# Altium PCB Minion_Rev2.PcbDoc (part 4 of 11)
Units mil, origin at the board's own origin, x right, y up, seen from the top; angles counter-clockwise.
Board outline 4724.41 x 6929.13 mil, 4 copper layers (L1, L2, L3, L4), stack 62.087 mil thick; 873 components, 147 nets, 5651 pads, 5666 vias.
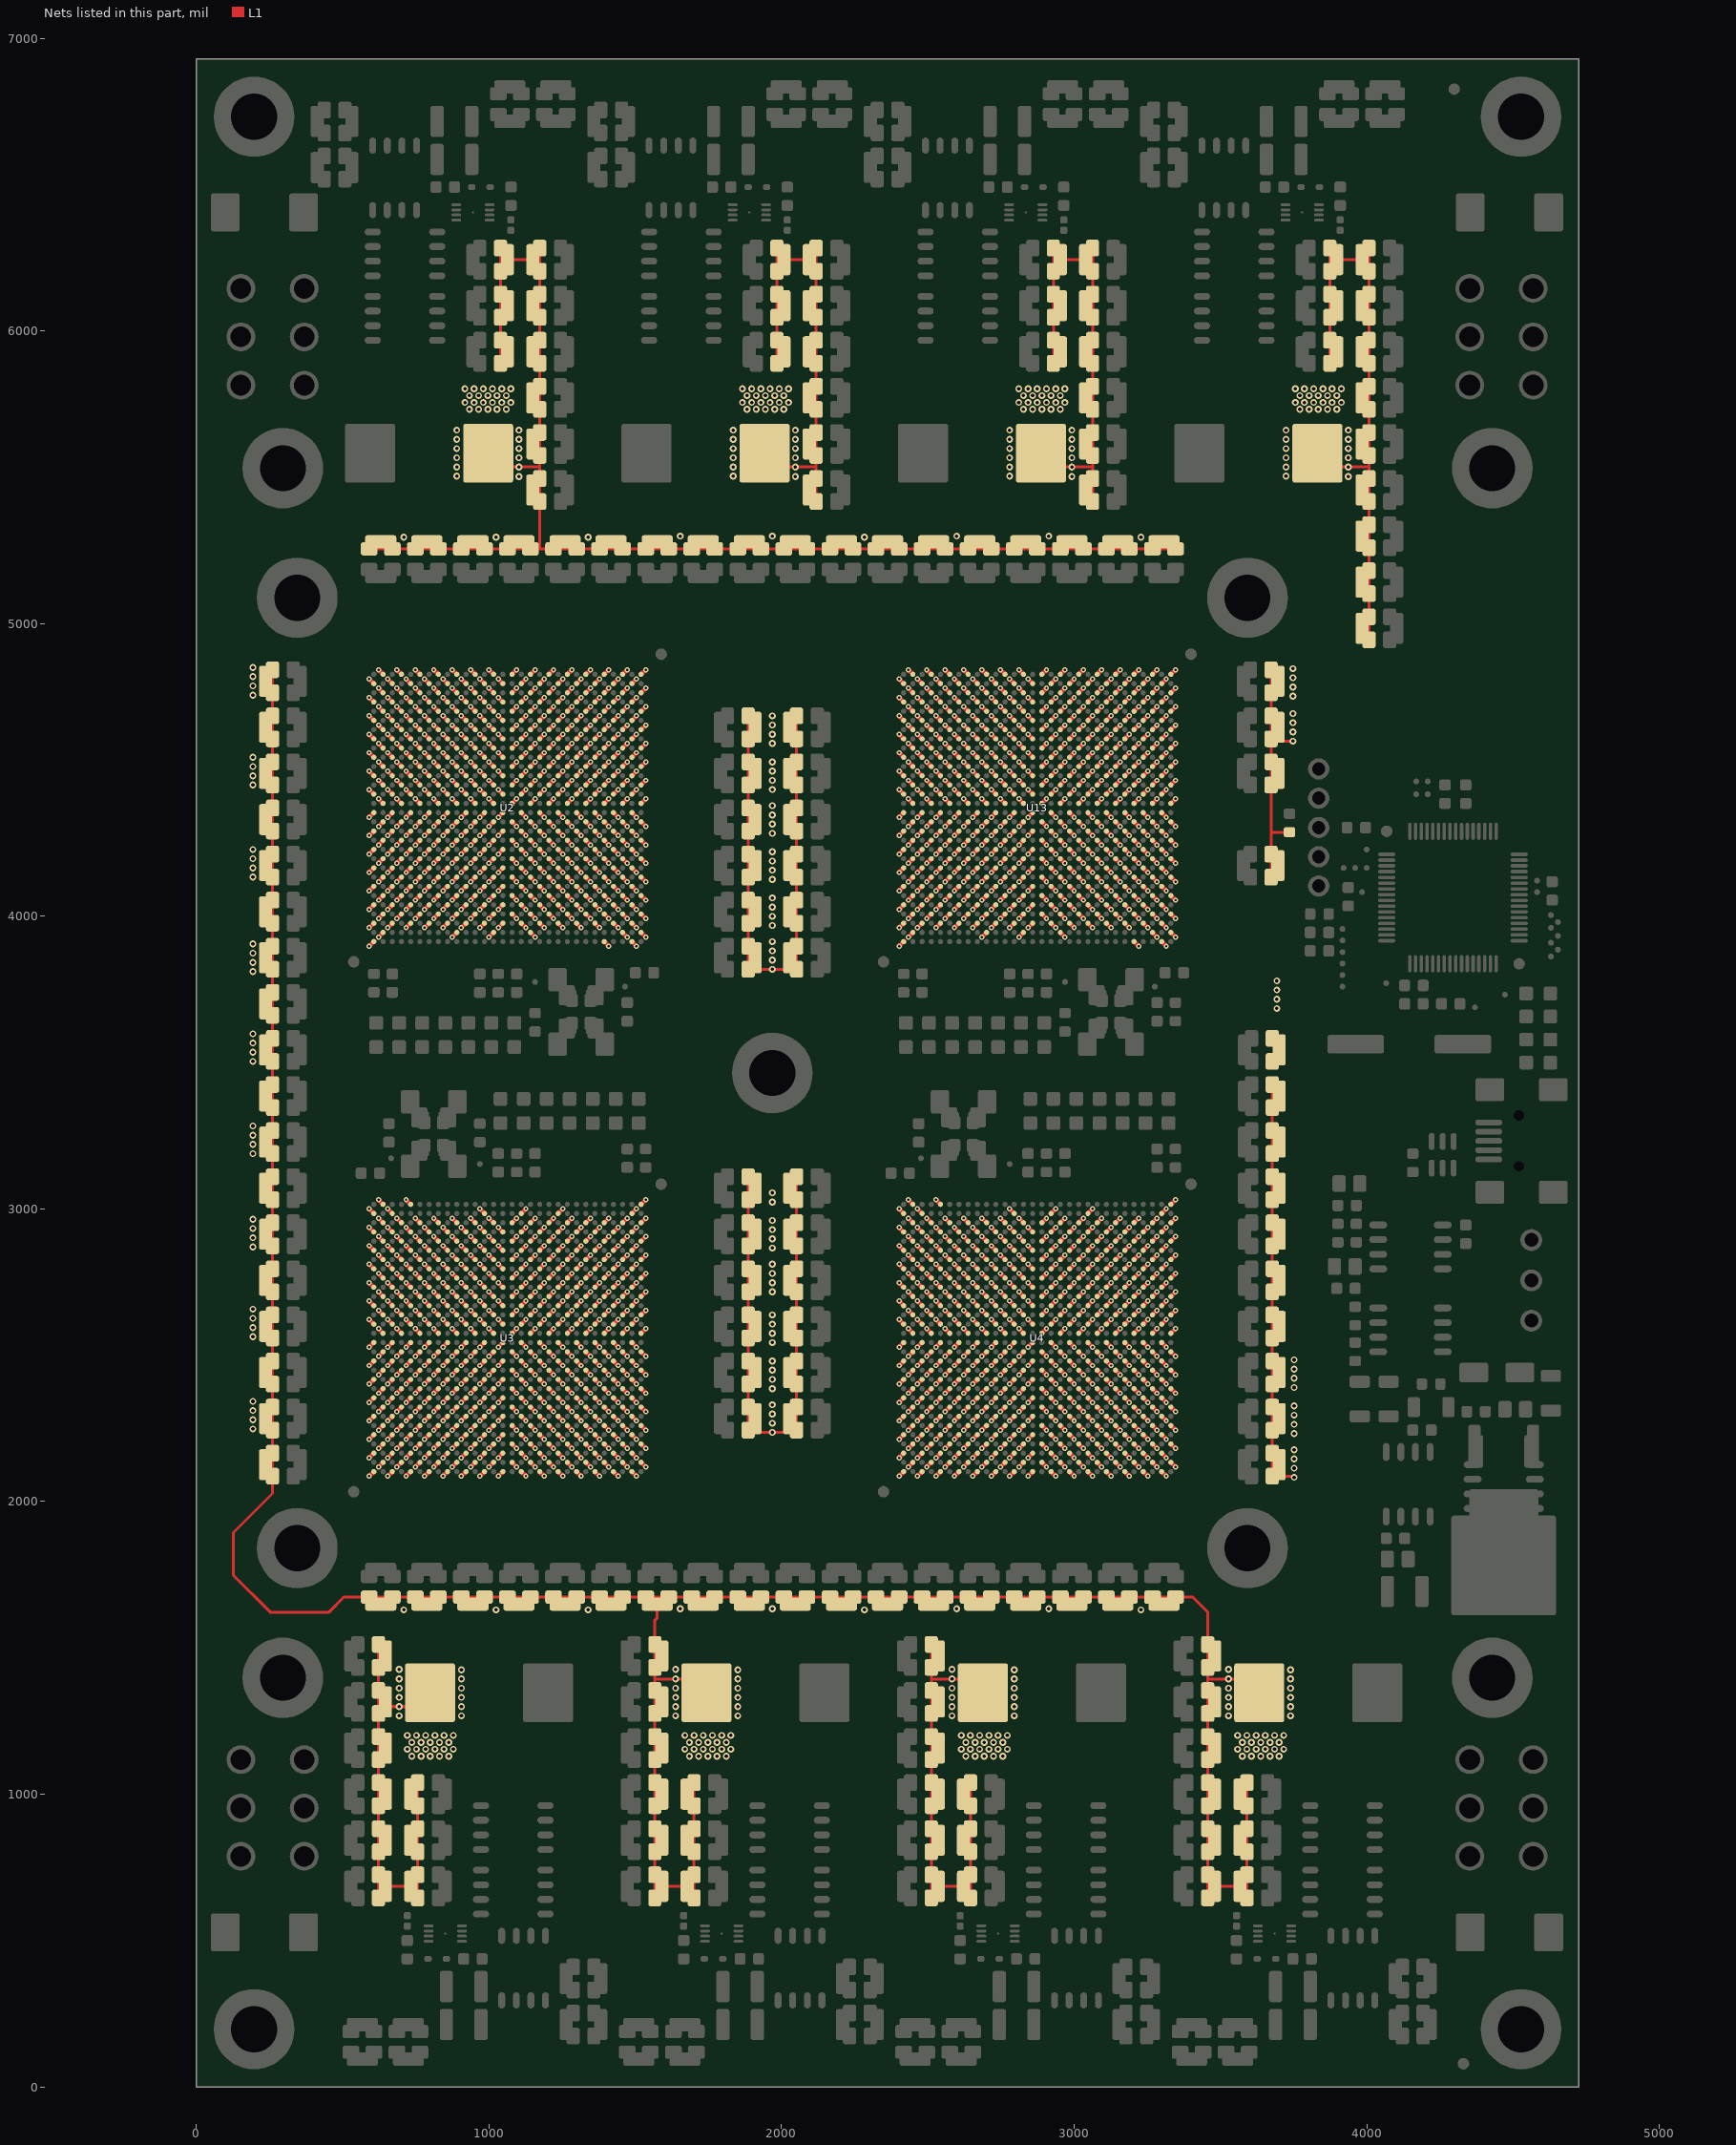
[diagram p6: the nets of this part, all layers, seen from the top]

## Via types
v1: diameter 17.72/17.72/17.72/17.72 (per signal layer), hole 7.87, L1 to L4, 3578 vias
v2: diameter 23.62/23.62/23.62/23.62 (per signal layer), hole 11.81, L1 to L4, 2088 vias

## Nets (pads, with @x,y where several pads share a name; then routed paths per layer and width w, separated by ;. In a path a pad name is that pad's centre, name@x,y a point inside that pad or via, vN(x,y) a via of type N, cw(c..) or ccw(c..) an arc to the next point about the centre after c; other vN are vias at no path point) (continued)
1V: C19.2 C22.2 C23.2 C26.2 C27.2 C30.2 C31.2 C34.2 C35.2 C36.2 C39.2 C40.2 C41.2 C42.2 C43.2 C44.2 C45.2 C46.2 C47.2 C48.2 C49.2 C50.2 C51.2 C54.2 C55.2 C58.2 C59.2 C62.2 C63.2 C66.2 C67.2 C68.2 C71.2 C72.2 C73.2 C74.2 C75.2 C76.2 C77.2 C78.2 C79.2 C80.2 C81.2 C82.2 C83.2 C86.2 C87.2 C90.2 C91.2 C94.2 C95.2 C98.2 C99.2 C100.2 C103.2 C104.2 C105.2 C106.2 C107.2 C108.2 C109.2 C110.2 C111.2 C112.2 C113.2 C114.2 C115.2 C118.2 C119.2 C122.2 C123.2 C126.2 C127.2 C130.2 C131.2 C132.2 C135.2 C136.2 C137.2 C138.2 C139.2 C140.2 C141.2 C142.2 C143.2 C144.2 C145.2 C146.2 C147.2 C148.2 C149.2 C150.2 C151.2 C152.2 C153.2 C154.2 C155.2 C156.2 C157.2 C158.2 C159.2 C160.2 C161.2 C162.2 C163.2 C164.2 C165.2 C166.2 C167.2 C169.2 C170.2 C171.2 C172.2 C173.2 C174.2 C175.2 C176.2 C177.2 C178.2 C179.2 C180.2 C197.2 C198.2 C199.2 C200.2 C201.2 C202.2 C203.2 C204.2 C205.2 C206.2 C207.2 C208.2 C209.2 C210.2 C211.2 C212.2 C213.2 C214.2 C236.2 C239.2 C323.1 C324.1 C325.1 C326.1 C327.1 C328.1 C329.1 C330.1 C331.1 C332.1 C333.1 C334.1 C335.1 C336.1 C337.1 C338.1 C339.1 C340.1 C341.1 C342.1 C343.1 C344.1 C345.1 C346.1 C350.2 C351.2 C352.2 C353.1 C354.1 C355.1 C356.1 C357.1 C358.1 C359.1 C360.1 C361.1 C362.1 C363.1 C364.1 C365.1 C366.1 C367.1 C368.1 C369.1 C370.1 C371.1 C372.1 C373.1 C374.1 C375.1 C376.1 C393.2 C394.2 C395.2 C396.2 C397.2 C398.2 C399.2 C400.2 C401.2 C408.2 C409.2 C410.2 C411.2 C412.2 C413.2 C414.2 C415.2 C416.2 C417.2 C418.2 C419.2 C444.1 C445.1 C446.1 C447.1 C448.1 C449.1 C450.1 C451.1 C452.1 C453.1 C454.1 C455.1 C456.1 C457.1 C458.1 C459.1 C460.1 C461.1 C462.1 C463.1 C464.1 C465.1 C466.1 C467.1 C468.1 C469.1 C470.1 C471.1 C472.1 C473.1 C474.1 C475.1 C476.1 C477.1 C478.1 C479.1 C480.1 C481.1 C482.1 C483.1 C484.1 C485.1 C486.1 C487.1 C488.1 C489.1 C490.1 C491.1 C652.1 C653.2 C654.1 C655.1 C656.2 C657.1 C658.1 C659.2 C660.1 C661.1 C662.2 C663.1 C664.1 C665.2 C666.1 C667.1 C668.2 C669.1 C670.1 C671.2 C672.1 C673.1 C674.2 C675.1 C676.1 C677.2 C678.1 C679.1 C680.2 C681.1 C742.1 C743.2 C744.1 C745.1 C746.2 C747.1 C748.1 C749.2 C750.1 C751.1 C752.2 C753.1 C754.1 C755.2 C756.1 C757.1 C758.2 C759.1 C760.1 C761.2 C762.1 C763.1 C764.2 C765.1 C766.1 C767.2 C768.1 C769.1 C770.2 C771.1 C832.1 C833.2 C834.1 C835.1 C836.2 C837.1 C838.1 C839.2 C840.1 C841.1 C842.2 C843.1 C844.1 C845.2 C846.1 C847.1 C848.2 C849.1 C850.1 C851.2 C852.1 C853.1 C854.2 C855.1 C856.1 C857.2 C858.1 C859.1 C860.2 C861.1 C922.1 C923.2 C924.1 C925.1 C926.2 C927.1 C928.1 C929.2 C930.1 C931.1 C932.2 C933.1 C934.1 C935.2 C936.1 C937.1 C938.2 C939.1 C940.1 C941.2 C942.1 C943.1 C944.2 C945.1 C946.1 C947.2 C948.1 C949.1 C950.2 C951.1 C952.1 C953.2 C954.1 C955.1 C956.2 C957.1 C958.1 C959.2 C960.1 C961.1 C962.2 C963.1 C964.1 C965.2 C966.1 C967.1 C968.2 C969.1 C970.1 C971.2 C972.1 C973.1 C974.2 C975.1 C976.1 C977.2 C978.1 C979.1 C980.2 C981.1 C982.1 C983.2 C984.1 C985.1 C986.2 C987.1 C988.1 C989.2 C990.1 C991.1 C992.2 C993.1 C994.1 C995.2 C996.1 C997.1 C998.2 C999.1 C1000.1 C1001.2 C1002.1 C1003.1 C1004.2 C1005.1 C1006.1 C1007.2 C1008.1 C1009.1 C1010.2 C1011.1 C1012.1 C1013.2 C1014.1 C1015.1 C1016.2 C1017.1 C1018.1 C1019.2 C1020.1 C1021.1 C1022.2 C1023.1 C1024.1 C1025.2 C1026.1 C1027.1 C1028.2 C1029.1 C1030.1 C1031.2 C1032.1 C1033.1 C1034.2 C1035.1 C1036.1 C1037.2 C1038.1 C1039.1 C1040.2 C1041.1 C1042.1 C1043.2 C1044.1 C1045.1 C1046.2 C1047.1 C1048.1 C1049.2 C1050.1 C1051.1 C1052.2 C1053.1 C1054.1 C1055.2 C1056.1 C1057.1 C1058.2 C1059.1 C1060.1 C1061.2 C1062.1 C1063.1 C1064.2 C1065.1 C1066.1 C1067.2 C1068.1 C1069.1 C1070.2 C1071.1 L1.2 L2.2 L5.2 L6.2 L9.2 L10.2 L13.2 L14.2 R6.2 U2.A2 U2.A4 U2.A6 U2.A8 U2.A10 U2.A12 U2.A14 U2.A16 U2.A18 U2.A20 U2.A22 U2.A24 U2.A26 U2.A28 U2.A30 U2.AA2 U2.AA4 U2.AA6 U2.AA8 U2.AA10 U2.AA12 U2.AA14 U2.AA16 U2.AA18 U2.AA20 U2.AA22 U2.AA24 U2.AA26 U2.AA28 U2.AA30 U2.AB1 U2.AB3 U2.AB5 U2.AB7 U2.AB9 U2.AB11 U2.AB13 U2.AB15 U2.AB17 U2.AB19 U2.AB21 U2.AB23 U2.AB25 U2.AB27 U2.AB29 U2.AC2 U2.AC4 U2.AC6 U2.AC8 U2.AC10 U2.AC12 U2.AC14 U2.AC16 U2.AC18 U2.AC20 U2.AC22 U2.AC24 U2.AC26 U2.AC28 U2.AC30 U2.AD1 U2.AD3 U2.AD5 U2.AD7 U2.AD9 U2.AD11 U2.AD13 U2.AD15 U2.AD17 U2.AD19 U2.AD21 U2.AD23 U2.AD25 U2.AD27 U2.AD29 U2.AE2 U2.AE4 U2.AE6 U2.AE8 U2.AE10 U2.AE12 U2.AE14 U2.AE16 U2.AE18 U2.AE20 U2.AE22 U2.AE24 U2.AE26 U2.AE28 U2.AE30 U2.AF1 U2.AF3 U2.AF5 U2.AF7 U2.AF9 U2.AF11 U2.AF13 U2.AF15 U2.AF17 U2.AF19 U2.AF21 U2.AF23 U2.AF25 U2.AF27 U2.AF29 U2.AG2 U2.AG4 U2.AG6 U2.AG8 U2.AG10 U2.AG12 U2.AG14 U2.AG16 U2.AG18 U2.AG20 U2.AG22 U2.AG24 U2.AG26 U2.AG28 U2.AG30 U2.AH1 U2.AH3 U2.AH5 U2.AH7 U2.AH9 U2.AH11 U2.AH13 U2.AH15 U2.AH17 U2.AH19 U2.AH21 U2.AH23 U2.AH25 U2.AH27 U2.AH29 U2.AJ2 U2.AJ10 U2.AJ14 U2.AJ18 U2.AJ28 U2.AJ30 U2.AK1 U2.AK26 U2.AK29 U2.B1 U2.B3 U2.B5 U2.B7 U2.B9 U2.B11 U2.B13 U2.B15 U2.B17 U2.B19 U2.B21 U2.B23 U2.B25 U2.B27 U2.B29 U2.C2 U2.C4 U2.C6 U2.C8 U2.C10 U2.C12 U2.C14 U2.C16 U2.C18 U2.C20 U2.C22 U2.C24 U2.C26 U2.C28 U2.C30 U2.D1 U2.D3 U2.D5 U2.D7 U2.D9 U2.D11 U2.D13 U2.D15 U2.D17 U2.D19 U2.D21 U2.D23 U2.D25 U2.D27 U2.D29 U2.E2 U2.E4 U2.E6 U2.E8 U2.E10 U2.E12 U2.E14 U2.E16 U2.E18 U2.E20 U2.E22 U2.E24 U2.E26 U2.E28 U2.E30 U2.F1 U2.F3 U2.F5 U2.F7 U2.F9 U2.F11 U2.F13 U2.F15 U2.F17 U2.F19 U2.F21 U2.F23 U2.F25 U2.F27 U2.F29 U2.G2 U2.G4 U2.G6 U2.G8 U2.G10 U2.G12 U2.G14 U2.G16 U2.G18 U2.G20 U2.G22 U2.G24 U2.G26 U2.G28 U2.G30 U2.H1 U2.H3 U2.H5 U2.H7 U2.H9 U2.H11 U2.H13 U2.H15 U2.H17 U2.H19 U2.H21 U2.H23 U2.H25 U2.H27 U2.H29 U2.J2 U2.J4 U2.J6 U2.J8 U2.J10 U2.J12 U2.J14 U2.J16 U2.J18 U2.J20 U2.J22 U2.J24 U2.J26 U2.J28 U2.J30 U2.K1 U2.K3 U2.K5 U2.K7 U2.K9 U2.K11 U2.K13 U2.K15 U2.K17 U2.K19 U2.K21 U2.K23 U2.K25 U2.K27 U2.K29 U2.L2 U2.L4 U2.L6 U2.L8 U2.L10 U2.L12 U2.L14 U2.L16 U2.L18 U2.L20 U2.L22 U2.L24 U2.L26 U2.L28 U2.L30 U2.M1 U2.M3 U2.M5 U2.M7 U2.M9 U2.M11 U2.M13 U2.M15 U2.M17 U2.M19 U2.M21 U2.M23 U2.M25 U2.M27 U2.M29 U2.N2 U2.N4 U2.N6 U2.N8 U2.N10 U2.N12 U2.N14 U2.N16 U2.N18 U2.N20 U2.N22 U2.N24 U2.N26 U2.N28 U2.N30 U2.P1 U2.P3 U2.P5 U2.P7 U2.P9 U2.P11 U2.P13 U2.P15 U2.P17 U2.P19 U2.P21 U2.P23 U2.P25 U2.P27 U2.P29 U2.R2 U2.R4 U2.R6 U2.R8 U2.R10 U2.R12 U2.R14 U2.R16 U2.R18 U2.R20 U2.R22 U2.R24 U2.R26 U2.R28 U2.R30 U2.T1 U2.T3 U2.T5 U2.T7 U2.T9 U2.T11 U2.T13 U2.T15 U2.T17 U2.T19 U2.T21 U2.T23 U2.T25 U2.T27 U2.T29 U2.U2 U2.U4 U2.U6 U2.U8 U2.U10 U2.U12 U2.U14 U2.U16 U2.U18 U2.U20 U2.U22 U2.U24 U2.U26 U2.U28 U2.U30 U2.V1 U2.V3 U2.V5 U2.V7 U2.V9 U2.V11 U2.V13 U2.V15 U2.V17 U2.V19 U2.V21 U2.V23 U2.V25 U2.V27 U2.V29 U2.W2 U2.W4 U2.W6 U2.W8 U2.W10 U2.W12 U2.W14 U2.W16 U2.W18 U2.W20 U2.W22 U2.W24 U2.W26 U2.W28 U2.W30 U2.Y1 U2.Y3 U2.Y5 U2.Y7 U2.Y9 U2.Y11 U2.Y13 U2.Y15 U2.Y17 U2.Y19 U2.Y21 U2.Y23 U2.Y25 U2.Y27 U2.Y29 U3.A2 U3.A4 U3.A6 U3.A8 U3.A10 U3.A12 U3.A14 U3.A16 U3.A18 U3.A20 U3.A22 U3.A24 U3.A26 U3.A28 U3.A30 U3.AA2 U3.AA4 U3.AA6 U3.AA8 U3.AA10 U3.AA12 U3.AA14 U3.AA16 U3.AA18 U3.AA20 U3.AA22 U3.AA24 U3.AA26 U3.AA28 U3.AA30 U3.AB1 U3.AB3 U3.AB5 U3.AB7 U3.AB9 U3.AB11 U3.AB13 U3.AB15 U3.AB17 U3.AB19 U3.AB21 U3.AB23 U3.AB25 U3.AB27 U3.AB29 U3.AC2 U3.AC4 U3.AC6 U3.AC8 U3.AC10 U3.AC12 U3.AC14 U3.AC16 U3.AC18 U3.AC20 U3.AC22 U3.AC24 U3.AC26 U3.AC28 U3.AC30 U3.AD1 U3.AD3 U3.AD5 U3.AD7 U3.AD9 U3.AD11 U3.AD13 U3.AD15 U3.AD17 U3.AD19 U3.AD21 U3.AD23 U3.AD25 U3.AD27 U3.AD29 U3.AE2 U3.AE4 U3.AE6 U3.AE8 U3.AE10 U3.AE12 U3.AE14 U3.AE16 U3.AE18 U3.AE20 U3.AE22 U3.AE24 U3.AE26 U3.AE28 U3.AE30 U3.AF1 U3.AF3 U3.AF5 U3.AF7 U3.AF9 U3.AF11 U3.AF13 U3.AF15 U3.AF17 U3.AF19 U3.AF21 U3.AF23 U3.AF25 U3.AF27 U3.AF29 U3.AG2 U3.AG4 U3.AG6 U3.AG8 U3.AG10 U3.AG12 U3.AG14 U3.AG16 U3.AG18 U3.AG20 U3.AG22 U3.AG24 U3.AG26 U3.AG28 U3.AG30 U3.AH1 U3.AH3 U3.AH5 U3.AH7 U3.AH9 U3.AH11 U3.AH13 U3.AH15 U3.AH17 U3.AH19 U3.AH21 U3.AH23 U3.AH25 U3.AH27 U3.AH29 U3.AJ2 U3.AJ10 U3.AJ14 U3.AJ18 U3.AJ28 U3.AJ30 U3.AK1 U3.AK26 U3.AK29 U3.B1 U3.B3 U3.B5 U3.B7 U3.B9 U3.B11 U3.B13 U3.B15 U3.B17 U3.B19 U3.B21 U3.B23 U3.B25 U3.B27 U3.B29 U3.C2 U3.C4 U3.C6 U3.C8 U3.C10 U3.C12 U3.C14 U3.C16 U3.C18 U3.C20 U3.C22 U3.C24 U3.C26 U3.C28 U3.C30 U3.D1 U3.D3 U3.D5 U3.D7 U3.D9 U3.D11 U3.D13 U3.D15 U3.D17 U3.D19 U3.D21 U3.D23 U3.D25 U3.D27 U3.D29 U3.E2 U3.E4 U3.E6 U3.E8 U3.E10 U3.E12 U3.E14 U3.E16 U3.E18 U3.E20 U3.E22 U3.E24 U3.E26 U3.E28 U3.E30 U3.F1 U3.F3 U3.F5 U3.F7 U3.F9 U3.F11 U3.F13 U3.F15 U3.F17 U3.F19 U3.F21 U3.F23 U3.F25 U3.F27 U3.F29 U3.G2 U3.G4 U3.G6 U3.G8 U3.G10 U3.G12 U3.G14 U3.G16 U3.G18 U3.G20 U3.G22 U3.G24 U3.G26 U3.G28 U3.G30 U3.H1 U3.H3 U3.H5 U3.H7 U3.H9 U3.H11 U3.H13 U3.H15 U3.H17 U3.H19 U3.H21 U3.H23 U3.H25 U3.H27 U3.H29 U3.J2 U3.J4 U3.J6 U3.J8 U3.J10 U3.J12 U3.J14 U3.J16 U3.J18 U3.J20 U3.J22 U3.J24 U3.J26 U3.J28 U3.J30 U3.K1 U3.K3 U3.K5 U3.K7 U3.K9 U3.K11 U3.K13 U3.K15 U3.K17 U3.K19 U3.K21 U3.K23 U3.K25 U3.K27 U3.K29 U3.L2 U3.L4 U3.L6 U3.L8 U3.L10 U3.L12 U3.L14 U3.L16 U3.L18 U3.L20 U3.L22 U3.L24 U3.L26 U3.L28 U3.L30 U3.M1 U3.M3 U3.M5 U3.M7 U3.M9 U3.M11 U3.M13 U3.M15 U3.M17 U3.M19 U3.M21 U3.M23 U3.M25 U3.M27 U3.M29 U3.N2 U3.N4 U3.N6 U3.N8 U3.N10 U3.N12 U3.N14 U3.N16 U3.N18 U3.N20 U3.N22 U3.N24 U3.N26 U3.N28 U3.N30 U3.P1 U3.P3 U3.P5 U3.P7 U3.P9 U3.P11 U3.P13 U3.P15 U3.P17 U3.P19 U3.P21 U3.P23 U3.P25 U3.P27 U3.P29 U3.R2 U3.R4 U3.R6 U3.R8 U3.R10 U3.R12 U3.R14 U3.R16 U3.R18 U3.R20 U3.R22 U3.R24 U3.R26 U3.R28 U3.R30 U3.T1 U3.T3 U3.T5 U3.T7 U3.T9 U3.T11 U3.T13 U3.T15 U3.T17 U3.T19 U3.T21 U3.T23 U3.T25 U3.T27 U3.T29 U3.U2 U3.U4 U3.U6 U3.U8 U3.U10 U3.U12 U3.U14 U3.U16 U3.U18 U3.U20 U3.U22 U3.U24 U3.U26 U3.U28 U3.U30 U3.V1 U3.V3 U3.V5 U3.V7 U3.V9 U3.V11 U3.V13 U3.V15 U3.V17 U3.V19 U3.V21 U3.V23 U3.V25 U3.V27 U3.V29 U3.W2 U3.W4 U3.W6 U3.W8 U3.W10 U3.W12 U3.W14 U3.W16 U3.W18 U3.W20 U3.W22 U3.W24 U3.W26 U3.W28 U3.W30 U3.Y1 U3.Y3 U3.Y5 U3.Y7 U3.Y9 U3.Y11 U3.Y13 U3.Y15 U3.Y17 U3.Y19 U3.Y21 U3.Y23 U3.Y25 U3.Y27 U3.Y29 U4.A2 U4.A4 U4.A6 U4.A8 U4.A10 U4.A12 U4.A14 U4.A16 U4.A18 U4.A20 U4.A22 U4.A24 U4.A26 U4.A28 U4.A30 U4.AA2 U4.AA4 U4.AA6 U4.AA8 U4.AA10 U4.AA12 U4.AA14 U4.AA16 U4.AA18 U4.AA20 U4.AA22 U4.AA24 U4.AA26 U4.AA28 U4.AA30 U4.AB1 U4.AB3 U4.AB5 U4.AB7 U4.AB9 U4.AB11 U4.AB13 U4.AB15 U4.AB17 U4.AB19 U4.AB21 U4.AB23 U4.AB25 U4.AB27 U4.AB29 U4.AC2 U4.AC4 U4.AC6 U4.AC8 U4.AC10 U4.AC12 U4.AC14 U4.AC16 U4.AC18 U4.AC20 U4.AC22 U4.AC24 U4.AC26 U4.AC28 U4.AC30 U4.AD1 U4.AD3 U4.AD5 U4.AD7 U4.AD9 U4.AD11 U4.AD13 U4.AD15 U4.AD17 U4.AD19 U4.AD21 U4.AD23 U4.AD25 U4.AD27 U4.AD29 U4.AE2 U4.AE4 U4.AE6 U4.AE8 U4.AE10 U4.AE12 U4.AE14 U4.AE16 U4.AE18 U4.AE20 U4.AE22 U4.AE24 U4.AE26 U4.AE28 U4.AE30 U4.AF1 U4.AF3 U4.AF5 U4.AF7 U4.AF9 U4.AF11 U4.AF13 U4.AF15 U4.AF17 U4.AF19 U4.AF21 U4.AF23 U4.AF25 U4.AF27 U4.AF29 U4.AG2 U4.AG4 U4.AG6 U4.AG8 U4.AG10 U4.AG12 U4.AG14 U4.AG16 U4.AG18 U4.AG20 U4.AG22 U4.AG24 U4.AG26 U4.AG28 U4.AG30 U4.AH1 U4.AH3 U4.AH5 U4.AH7 U4.AH9 U4.AH11 U4.AH13 U4.AH15 U4.AH17 U4.AH19 U4.AH21 U4.AH23 U4.AH25 U4.AH27 U4.AH29 U4.AJ2 U4.AJ10 U4.AJ14 U4.AJ18 U4.AJ28 U4.AJ30 U4.AK1 U4.AK26 U4.AK29 U4.B1 U4.B3 U4.B5 U4.B7 U4.B9 U4.B11 U4.B13 U4.B15 U4.B17 U4.B19 U4.B21 U4.B23 U4.B25 U4.B27 U4.B29 U4.C2 U4.C4 U4.C6 U4.C8 U4.C10 U4.C12 U4.C14 U4.C16 U4.C18 U4.C20 U4.C22 U4.C24 U4.C26 U4.C28 U4.C30 U4.D1 U4.D3 U4.D5 U4.D7 U4.D9 U4.D11 U4.D13 U4.D15 U4.D17 U4.D19 U4.D21 U4.D23 U4.D25 U4.D27 U4.D29 U4.E2 U4.E4 U4.E6 U4.E8 U4.E10 U4.E12 U4.E14 U4.E16 U4.E18 U4.E20 U4.E22 U4.E24 U4.E26 U4.E28 U4.E30 U4.F1 U4.F3 U4.F5 U4.F7 U4.F9 U4.F11 U4.F13 U4.F15 U4.F17 U4.F19 U4.F21 U4.F23 U4.F25 U4.F27 U4.F29 U4.G2 U4.G4 U4.G6 U4.G8 U4.G10 U4.G12 U4.G14 U4.G16 U4.G18 U4.G20 U4.G22 U4.G24 U4.G26 U4.G28 U4.G30 U4.H1 U4.H3 U4.H5 U4.H7 U4.H9 U4.H11 U4.H13 U4.H15 U4.H17 U4.H19 U4.H21 U4.H23 U4.H25 U4.H27 U4.H29 U4.J2 U4.J4 U4.J6 U4.J8 U4.J10 U4.J12 U4.J14 U4.J16 U4.J18 U4.J20 U4.J22 U4.J24 U4.J26 U4.J28 U4.J30 U4.K1 U4.K3 U4.K5 U4.K7 U4.K9 U4.K11 U4.K13 U4.K15 U4.K17 U4.K19 U4.K21 U4.K23 U4.K25 U4.K27 U4.K29 U4.L2 U4.L4 U4.L6 U4.L8 U4.L10 U4.L12 U4.L14 U4.L16 U4.L18 U4.L20 U4.L22 U4.L24 U4.L26 U4.L28 U4.L30 U4.M1 U4.M3 U4.M5 U4.M7 U4.M9 U4.M11 U4.M13 U4.M15 U4.M17 U4.M19 U4.M21 U4.M23 U4.M25 U4.M27 U4.M29 U4.N2 U4.N4 U4.N6 U4.N8 U4.N10 U4.N12 U4.N14 U4.N16 U4.N18 U4.N20 U4.N22 U4.N24 U4.N26 U4.N28 U4.N30 U4.P1 U4.P3 U4.P5 U4.P7 U4.P9 U4.P11 U4.P13 U4.P15 U4.P17 U4.P19 U4.P21 U4.P23 U4.P25 U4.P27 U4.P29 U4.R2 U4.R4 U4.R6 U4.R8 U4.R10 U4.R12 U4.R14 U4.R16 U4.R18 U4.R20 U4.R22 U4.R24 U4.R26 U4.R28 U4.R30 U4.T1 U4.T3 U4.T5 U4.T7 U4.T9 U4.T11 U4.T13 U4.T15 U4.T17 U4.T19 U4.T21 U4.T23 U4.T25 U4.T27 U4.T29 U4.U2 U4.U4 U4.U6 U4.U8 U4.U10 U4.U12 U4.U14 U4.U16 U4.U18 U4.U20 U4.U22 U4.U24 U4.U26 U4.U28 U4.U30 U4.V1 U4.V3 U4.V5 U4.V7 U4.V9 U4.V11 U4.V13 U4.V15 U4.V17 U4.V19 U4.V21 U4.V23 U4.V25 U4.V27 U4.V29 U4.W2 U4.W4 U4.W6 U4.W8 U4.W10 U4.W12 U4.W14 U4.W16 U4.W18 U4.W20 U4.W22 U4.W24 U4.W26 U4.W28 U4.W30 U4.Y1 U4.Y3 U4.Y5 U4.Y7 U4.Y9 U4.Y11 U4.Y13 U4.Y15 U4.Y17 U4.Y19 U4.Y21 U4.Y23 U4.Y25 U4.Y27 U4.Y29 U13.A2 U13.A4 U13.A6 U13.A8 U13.A10 U13.A12 U13.A14 U13.A16 U13.A18 U13.A20 U13.A22 U13.A24 U13.A26 U13.A28 U13.A30 U13.AA2 U13.AA4 U13.AA6 U13.AA8 U13.AA10 U13.AA12 U13.AA14 U13.AA16 U13.AA18 U13.AA20 U13.AA22 U13.AA24 U13.AA26 U13.AA28 U13.AA30 U13.AB1 U13.AB3 U13.AB5 U13.AB7 U13.AB9 U13.AB11 U13.AB13 U13.AB15 U13.AB17 U13.AB19 U13.AB21 U13.AB23 U13.AB25 U13.AB27 U13.AB29 U13.AC2 U13.AC4 U13.AC6 U13.AC8 U13.AC10 U13.AC12 U13.AC14 U13.AC16 U13.AC18 U13.AC20 U13.AC22 U13.AC24 U13.AC26 U13.AC28 U13.AC30 U13.AD1 U13.AD3 U13.AD5 U13.AD7 U13.AD9 U13.AD11 U13.AD13 U13.AD15 U13.AD17 U13.AD19 U13.AD21 U13.AD23 U13.AD25 U13.AD27 U13.AD29 U13.AE2 U13.AE4 U13.AE6 U13.AE8 U13.AE10 U13.AE12 U13.AE14 U13.AE16 U13.AE18 U13.AE20 U13.AE22 U13.AE24 U13.AE26 U13.AE28 U13.AE30 U13.AF1 U13.AF3 U13.AF5 U13.AF7 U13.AF9 U13.AF11 U13.AF13 U13.AF15 U13.AF17 U13.AF19 U13.AF21 U13.AF23 U13.AF25 U13.AF27 U13.AF29 U13.AG2 U13.AG4 U13.AG6 U13.AG8 U13.AG10 U13.AG12 U13.AG14 U13.AG16 U13.AG18 U13.AG20 U13.AG22 U13.AG24 U13.AG26 U13.AG28 U13.AG30 U13.AH1 U13.AH3 U13.AH5 U13.AH7 U13.AH9 U13.AH11 U13.AH13 U13.AH15 U13.AH17 U13.AH19 U13.AH21 U13.AH23 U13.AH25 U13.AH27 U13.AH29 U13.AJ2 U13.AJ10 U13.AJ14 U13.AJ18 U13.AJ28 U13.AJ30 U13.AK1 U13.AK26 U13.AK29 U13.B1 U13.B3 U13.B5 U13.B7 U13.B9 U13.B11 U13.B13 U13.B15 U13.B17 U13.B19 U13.B21 U13.B23 U13.B25 U13.B27 U13.B29 U13.C2 U13.C4 U13.C6 U13.C8 U13.C10 U13.C12 U13.C14 U13.C16 U13.C18 U13.C20 U13.C22 U13.C24 U13.C26 U13.C28 U13.C30 U13.D1 U13.D3 U13.D5 U13.D7 U13.D9 U13.D11 U13.D13 U13.D15 U13.D17 U13.D19 U13.D21 U13.D23 U13.D25 U13.D27 U13.D29 U13.E2 U13.E4 U13.E6 U13.E8 U13.E10 U13.E12 U13.E14 U13.E16 U13.E18 U13.E20 U13.E22 U13.E24 U13.E26 U13.E28 U13.E30 U13.F1 U13.F3 U13.F5 U13.F7 U13.F9 U13.F11 U13.F13 U13.F15 U13.F17 U13.F19 U13.F21 U13.F23 U13.F25 U13.F27 U13.F29 U13.G2 U13.G4 U13.G6 U13.G8 U13.G10 U13.G12 U13.G14 U13.G16 U13.G18 U13.G20 U13.G22 U13.G24 U13.G26 U13.G28 U13.G30 U13.H1 U13.H3 U13.H5 U13.H7 U13.H9 U13.H11 U13.H13 U13.H15 U13.H17 U13.H19 U13.H21 U13.H23 U13.H25 U13.H27 U13.H29 U13.J2 U13.J4 U13.J6 U13.J8 U13.J10 U13.J12 U13.J14 U13.J16 U13.J18 U13.J20 U13.J22 U13.J24 U13.J26 U13.J28 U13.J30 U13.K1 U13.K3 U13.K5 U13.K7 U13.K9 U13.K11 U13.K13 U13.K15 U13.K17 U13.K19 U13.K21 U13.K23 U13.K25 U13.K27 U13.K29 U13.L2 U13.L4 U13.L6 U13.L8 U13.L10 U13.L12 U13.L14 U13.L16 U13.L18 U13.L20 U13.L22 U13.L24 U13.L26 U13.L28 U13.L30 U13.M1 U13.M3 U13.M5 U13.M7 U13.M9 U13.M11 U13.M13 U13.M15 U13.M17 U13.M19 U13.M21 U13.M23 U13.M25 U13.M27 U13.M29 U13.N2 U13.N4 U13.N6 U13.N8 U13.N10 U13.N12 U13.N14 U13.N16 U13.N18 U13.N20 U13.N22 U13.N24 U13.N26 U13.N28 U13.N30 U13.P1 U13.P3 U13.P5 U13.P7 U13.P9 U13.P11 U13.P13 U13.P15 U13.P17 U13.P19 U13.P21 U13.P23 U13.P25 U13.P27 U13.P29 U13.R2 U13.R4 U13.R6 U13.R8 U13.R10 U13.R12 U13.R14 U13.R16 U13.R18 U13.R20 U13.R22 U13.R24 U13.R26 U13.R28 U13.R30 U13.T1 U13.T3 U13.T5 U13.T7 U13.T9 U13.T11 U13.T13 U13.T15 U13.T17 U13.T19 U13.T21 U13.T23 U13.T25 U13.T27 U13.T29 U13.U2 U13.U4 U13.U6 U13.U8 U13.U10 U13.U12 U13.U14 U13.U16 U13.U18 U13.U20 U13.U22 U13.U24 U13.U26 U13.U28 U13.U30 U13.V1 U13.V3 U13.V5 U13.V7 U13.V9 U13.V11 U13.V13 U13.V15 U13.V17 U13.V19 U13.V21 U13.V23 U13.V25 U13.V27 U13.V29 U13.W2 U13.W4 U13.W6 U13.W8 U13.W10 U13.W12 U13.W14 U13.W16 U13.W18 U13.W20 U13.W22 U13.W24 U13.W26 U13.W28 U13.W30 U13.Y1 U13.Y3 U13.Y5 U13.Y7 U13.Y9 U13.Y11 U13.Y13 U13.Y15 U13.Y17 U13.Y19 U13.Y21 U13.Y23 U13.Y25 U13.Y27 U13.Y29 | length 70986.3
  L1 w9.84: C938.2@236.22,2125.98 259.84,2125.98 ; C995.2@236.22,2283.46 259.84,2283.46 ; C680.2@236.22,2440.94 259.84,2440.94 ; C743.2@236.22,2598.43 259.84,2598.43 ; C677.2@236.22,2755.91 259.84,2755.91 ; C749.2@236.22,2913.39 259.84,2913.39 ; C752.2@236.22,3070.87 259.84,3070.87 ; C746.2@236.22,3228.35 259.84,3228.35 ; C758.2@236.22,3385.83 259.84,3385.83 ; C761.2@236.22,3543.31 259.84,3543.31 ; C755.2@236.22,3700.79 259.84,3700.79 ; C767.2@236.22,3858.27 259.84,3858.27 ; C770.2@236.22,4015.75 259.84,4015.75 ; C764.2@236.22,4173.23 259.84,4173.23 ; C860.2@236.22,4330.71 259.84,4330.71 ; C923.2@236.22,4488.19 259.84,4488.19 ; C857.2@236.22,4645.67 259.84,4645.67 ; C926.2@236.22,4803.15 259.84,4803.15 ; C927.1@259.84,4842.52 259.84,4803.15 ; C939.1@590.55,5255.91 629.92,5255.91 ; C327.1@622.05,645.67 622.05,685.04 ; C952.1@622.05,1511.81 622.05,1472.44 ; C941.2@629.92,1649.61 629.92,1673.23 ; C1013.2@629.92,5279.53 629.92,5255.91 ; C35.2@645.67,842.52 622.05,842.52 ; C34.2@645.67,1000 622.05,1000 ; C653.2@645.67,1157.48 622.05,1157.48 ; C833.2@645.67,1314.96 622.05,1314.96 ; C953.2@645.67,1472.44 622.05,1472.44 ; C408.2@732.28,842.52 755.91,842.52 ; C409.2@732.28,1000 755.91,1000 ; C333.1@755.91,645.67 755.91,685.04 ; C329.1@755.91,1039.37 755.91,1000 ; C944.2@787.4,1649.61 787.4,1673.23 ; C1025.2@787.4,5279.53 787.4,5255.91 ; L1.2@798.23,1346.46 798.23,1299.21 v2(692.91,1299.21) 645.67,1299.21 C834.1@622.05,1299.21 ; C950.2@944.88,1649.61 944.88,1673.23 ; C1028.2@944.88,5279.53 944.88,5255.91 ; L14.2@997.05,5582.68 997.05,5535.43 v2(1102.36,5535.43) 1173.23,5535.43 ; C486.1@1039.37,5889.76 1039.37,5929.13 ; C490.1@1039.37,6283.46 1039.37,6244.09 ; C400.2@1062.99,5929.13 1039.37,5929.13 ; C399.2@1062.99,6086.61 1039.37,6086.61 ; C947.2@1102.36,1649.61 1102.36,1673.23 ; C1022.2@1102.36,5279.53 1102.36,5255.91 ; C974.2@1149.61,5456.69 1173.23,5456.69 ; C854.2@1149.61,5614.17 1173.23,5614.17 ; C674.2@1149.61,5771.65 1173.23,5771.65 ; C135.2@1149.61,5929.13 1173.23,5929.13 ; C136.2@1149.61,6086.61 1173.23,6086.61 ; C484.1@1173.23,6283.46 1173.23,6244.09 ; C977.2@1259.84,1649.61 1259.84,1673.23 ; C1034.2@1259.84,5279.53 1259.84,5255.91 ; C983.2@1417.32,1649.61 1417.32,1673.23 ; C1037.2@1417.32,5279.53 1417.32,5255.91 ; C339.1@1566.93,645.67 1566.93,685.04 ; C1031.2@1574.8,5279.53 1574.8,5255.91 ; C67.2@1590.55,842.52 1566.93,842.52 ; C66.2@1590.55,1000 1566.93,1000 ; C656.2@1590.55,1157.48 1566.93,1157.48 ; C836.2@1590.55,1314.96 1566.93,1314.96 ; C956.2@1590.55,1472.44 1566.93,1472.44 ; C411.2@1677.17,842.52 1700.79,842.52 ; C412.2@1677.17,1000 1700.79,1000 ; C345.1@1700.79,645.67 1700.79,685.04 ; C341.1@1700.79,1039.37 1700.79,1000 ; C986.2@1732.28,1649.61 1732.28,1673.23 ; C1043.2@1732.28,5279.53 1732.28,5255.91 ; L5.2@1743.11,1346.46 1743.11,1393.7 v2(1637.8,1393.7) 1566.93,1393.7 ; C140.2@1885.83,3110.24 1885.83,3070.87 ; C86.2@1885.83,4685.04 1885.83,4645.67 ; C992.2@1889.76,1649.61 1889.76,1673.23 ; C1046.2@1889.76,5279.53 1889.76,5255.91 ; C205.2@1909.45,2283.46 1885.83,2283.46 ; C206.2@1909.45,2440.94 1885.83,2440.94 ; C204.2@1909.45,2598.43 1885.83,2598.43 ; C202.2@1909.45,2755.91 1885.83,2755.91 ; C203.2@1909.45,2913.39 1885.83,2913.39 ; C201.2@1909.45,3070.87 1885.83,3070.87 ; C162.2@1909.45,3858.27 1885.83,3858.27 ; C163.2@1909.45,4015.75 1885.83,4015.75 ; C161.2@1909.45,4173.23 1885.83,4173.23 ; C159.2@1909.45,4330.71 1885.83,4330.71 ; C160.2@1909.45,4488.19 1885.83,4488.19 ; C158.2@1909.45,4645.67 1885.83,4645.67 ; L10.2@1941.93,5582.68 1941.93,5535.43 v2(2047.24,5535.43) 2118.11,5535.43 ; C474.1@1984.25,5889.76 1984.25,5929.13 ; C478.1@1984.25,6283.46 1984.25,6244.09 ; C397.2@2007.87,5929.13 1984.25,5929.13 ; C396.2@2007.87,6086.61 1984.25,6086.61 ; C212.2@2027.56,2283.46 2051.18,2283.46 ; C214.2@2027.56,2440.94 2051.18,2440.94 ; C213.2@2027.56,2598.43 2051.18,2598.43 ; C207.2@2027.56,2755.91 2051.18,2755.91 ; C211.2@2027.56,2913.39 2051.18,2913.39 ; C210.2@2027.56,3070.87 2051.18,3070.87 ; C164.2@2027.56,3858.27 2051.18,3858.27 ; C197.2@2027.56,4015.75 2051.18,4015.75 ; C165.2@2027.56,4173.23 2051.18,4173.23 ; C198.2@2027.56,4330.71 2051.18,4330.71 ; C200.2@2027.56,4488.19 2051.18,4488.19 ; C199.2@2027.56,4645.67 2051.18,4645.67 ; C989.2@2047.24,1649.61 2047.24,1673.23 ; C1040.2@2047.24,5279.53 2047.24,5255.91 ; C171.2@2051.18,3110.24 2051.18,3070.87 ; C138.2@2051.18,4685.04 2051.18,4645.67 ; C971.2@2094.49,5456.69 2118.11,5456.69 ; C851.2@2094.49,5614.17 2118.11,5614.17 ; C671.2@2094.49,5771.65 2118.11,5771.65 ; C103.2@2094.49,5929.13 2118.11,5929.13 ; C104.2@2094.49,6086.61 2118.11,6086.61 ; C970.1@2118.11,5417.32 2118.11,5456.69 ; C472.1@2118.11,6283.46 2118.11,6244.09 ; C998.2@2204.72,1649.61 2204.72,1673.23 ; C1052.2@2204.72,5279.53 2204.72,5255.91 ; C1004.2@2362.2,1649.61 2362.2,1673.23 ; C1055.2@2362.2,5279.53 2362.2,5255.91 ; C357.1@2511.81,645.67 2511.81,685.04 ; C958.1@2511.81,1511.81 2511.81,1472.44 ; C1001.2@2519.68,1649.61 2519.68,1673.23 ; C1049.2@2519.68,5279.53 2519.68,5255.91 ; C99.2@2535.43,842.52 2511.81,842.52 ; C98.2@2535.43,1000 2511.81,1000 ; C659.2@2535.43,1157.48 2511.81,1157.48 ; C839.2@2535.43,1314.96 2511.81,1314.96 ; C959.2@2535.43,1472.44 2511.81,1472.44 ; C414.2@2622.05,842.52 2645.67,842.52 ; C415.2@2622.05,1000 2645.67,1000 ; C363.1@2645.67,645.67 2645.67,685.04 ; C359.1@2645.67,1039.37 2645.67,1000 ; C1007.2@2677.17,1649.61 2677.17,1673.23 ; C1061.2@2677.17,5279.53 2677.17,5255.91 ; L9.2@2687.99,1346.46 2687.99,1393.7 v2(2582.68,1393.7) 2511.81,1393.7 ; C1019.2@2834.65,1649.61 2834.65,1673.23 ; C1064.2@2834.65,5279.53 2834.65,5255.91 ; L6.2@2886.81,5582.68 2886.81,5535.43 v2(2992.13,5535.43) 3062.99,5535.43 ; C462.1@2929.13,5889.76 2929.13,5929.13 ; C466.1@2929.13,6283.46 2929.13,6244.09 ; C394.2@2952.76,5929.13 2929.13,5929.13 ; C393.2@2952.76,6086.61 2929.13,6086.61 ; C1016.2@2992.13,1649.61 2992.13,1673.23 ; C1058.2@2992.13,5279.53 2992.13,5255.91 ; C968.2@3039.37,5456.69 3062.99,5456.69 ; C848.2@3039.37,5614.17 3062.99,5614.17 ; C668.2@3039.37,5771.65 3062.99,5771.65 ; C71.2@3039.37,5929.13 3062.99,5929.13 ; C72.2@3039.37,6086.61 3062.99,6086.61 ; C967.1@3062.99,5417.32 3062.99,5456.69 ; C460.1@3062.99,6283.46 3062.99,6244.09 ; C1070.2@3149.61,1649.61 3149.61,1673.23 ; C1067.2@3149.61,5279.53 3149.61,5255.91 ; C935.2@3307.09,1649.61 3307.09,1673.23 ; C1010.2@3307.09,5279.53 3307.09,5255.91 ; C943.1@3346.46,5255.91 3307.09,5255.91 ; C369.1@3456.69,645.67 3456.69,685.04 ; C131.2@3480.31,842.52 3456.69,842.52 ; C130.2@3480.31,1000 3456.69,1000 ; C662.2@3480.31,1157.48 3456.69,1157.48 ; C842.2@3480.31,1314.96 3456.69,1314.96 ; C962.2@3480.31,1472.44 3456.69,1472.44 ; C417.2@3566.93,842.52 3590.55,842.52 ; C418.2@3566.93,1000 3590.55,1000 ; C375.1@3590.55,645.67 3590.55,685.04 ; C371.1@3590.55,1039.37 3590.55,1000 ; L13.2@3632.87,1346.46 3632.87,1393.7 v2(3527.56,1393.7) 3456.69,1393.7 ; C1005.1@3673.23,4133.86 3673.23,4173.23 ; C19.2@3673.23,4842.52 3673.23,4803.15 ; C78.2@3677.17,3425.2 3677.17,3385.83 ; C932.2@3696.85,4173.23 3673.23,4173.23 ; C47.2@3696.85,4488.19 3673.23,4488.19 ; C48.2@3696.85,4645.67 3673.23,4645.67 ; C46.2@3696.85,4803.15 3673.23,4803.15 ; C50.2@3700.79,2125.98 3677.17,2125.98 ; C51.2@3700.79,2283.46 3677.17,2283.46 ; C49.2@3700.79,2440.94 3677.17,2440.94 ; C55.2@3700.79,2598.43 3677.17,2598.43 ; C58.2@3700.79,2755.91 3677.17,2755.91 ; C54.2@3700.79,2913.39 3677.17,2913.39 ; C156.2@3700.79,3070.87 3677.17,3070.87 ; C157.2@3700.79,3228.35 3677.17,3228.35 ; C59.2@3700.79,3385.83 3677.17,3385.83 ; R6.2@3736.22,4287.4 3673.23,4287.4 ; v2(3748.03,4598.43) C26.2@3673.23,4598.43 ; v2(3751.97,2082.68) 3748.03,2086.61 C44.2@3677.17,2086.61 3677.17,2125.98 ; L2.2@3831.69,5582.68 3831.69,5535.43 v2(3937.01,5535.43) 4007.87,5535.43 ; C450.1@3874.02,5889.76 3874.02,5929.13 ; C454.1@3874.02,6283.46 3874.02,6244.09 ; C351.2@3897.64,5929.13 3874.02,5929.13 ; C350.2@3897.64,6086.61 3874.02,6086.61 ; C208.2@3984.25,4984.25 4007.87,4984.25 ; C239.2@3984.25,5141.73 4007.87,5141.73 ; C209.2@3984.25,5299.21 4007.87,5299.21 ; C965.2@3984.25,5456.69 4007.87,5456.69 ; C845.2@3984.25,5614.17 4007.87,5614.17 ; C665.2@3984.25,5771.65 4007.87,5771.65 ; C39.2@3984.25,5929.13 4007.87,5929.13 ; C40.2@3984.25,6086.61 4007.87,6086.61 ; C149.2@4007.87,4944.88 4007.87,4984.25 ; C448.1@4007.87,6283.46 4007.87,6244.09 ; 259.84,2125.98 C936.1@259.84,2086.61 259.84,2027.56 125.98,1893.7 125.98,1748.03 251.97,1622.05 452.76,1622.05 503.94,1673.23 629.92,1673.23 ; 259.84,2125.98 C937.1@259.84,2165.35 C933.1@259.84,2244.09 259.84,2283.46 ; 259.84,2283.46 C934.1@259.84,2322.83 C742.1@259.84,2401.57 259.84,2440.94 ; 259.84,2440.94 C744.1@259.84,2480.32 C681.1@259.84,2559.06 259.84,2598.43 ; 259.84,2598.43 C679.1@259.84,2637.8 C676.1@259.84,2716.54 259.84,2755.91 ; 259.84,2755.91 C678.1@259.84,2795.28 C751.1@259.84,2874.02 259.84,2913.39 ; 259.84,2913.39 C753.1@259.84,2952.76 C750.1@259.84,3031.5 259.84,3070.87 ; 259.84,3070.87 C748.1@259.84,3110.24 C745.1@259.84,3188.98 259.84,3228.35 ; 259.84,3228.35 C747.1@259.84,3267.72 C760.1@259.84,3346.46 259.84,3385.83 ; 259.84,3385.83 C762.1@259.84,3425.2 C759.1@259.84,3503.94 259.84,3543.31 ; 259.84,3543.31 C757.1@259.84,3582.68 C754.1@259.84,3661.42 259.84,3700.79 ; 259.84,3700.79 C756.1@259.84,3740.16 C769.1@259.84,3818.9 259.84,3858.27 ; 259.84,3858.27 C771.1@259.84,3897.64 C768.1@259.84,3976.38 259.84,4015.75 ; 259.84,4015.75 C766.1@259.84,4055.12 C763.1@259.84,4133.86 259.84,4173.23 ; 259.84,4173.23 C765.1@259.84,4212.6 C922.1@259.84,4291.34 259.84,4330.71 ; 259.84,4330.71 C924.1@259.84,4370.08 C861.1@259.84,4448.82 259.84,4488.19 ; 259.84,4488.19 C859.1@259.84,4527.56 C856.1@259.84,4606.3 259.84,4645.67 ; 259.84,4645.67 C858.1@259.84,4685.04 C925.1@259.84,4763.78 259.84,4803.15 ; 622.05,685.04 C328.1@622.05,724.41 622.05,842.52 ; 622.05,685.04 C236.2@645.67,685.04 C410.2@732.28,685.04 755.91,685.04 ; 622.05,842.52 622.05,1000 ; 622.05,1000 C654.1@622.05,1118.11 622.05,1157.48 ; 622.05,1157.48 C834.1@622.05,1299.21 ; C834.1@622.05,1299.21 622.05,1314.96 ; 622.05,1314.96 622.05,1472.44 ; 629.92,1673.23 787.4,1673.23 ; 629.92,5255.91 C940.1@669.29,5255.91 C1027.1@748.03,5255.91 787.4,5255.91 ; 755.91,685.04 C334.1@755.91,724.41 C332.1@755.91,803.15 755.91,842.52 ; 755.91,842.52 C331.1@755.91,881.89 C330.1@755.91,960.63 755.91,1000 ; 787.4,1673.23 944.88,1673.23 ; 787.4,5255.91 C1029.1@826.77,5255.91 C1026.1@905.51,5255.91 944.88,5255.91 ; 944.88,1673.23 1102.36,1673.23 ; 944.88,5255.91 C1024.1@984.25,5255.91 C1021.1@1062.99,5255.91 1102.36,5255.91 ; 1039.37,5929.13 C487.1@1039.37,5968.5 C488.1@1039.37,6047.24 1039.37,6086.61 ; 1039.37,6086.61 C489.1@1039.37,6125.98 C491.1@1039.37,6204.72 1039.37,6244.09 ; 1039.37,6244.09 C401.2@1062.99,6244.09 C137.2@1149.61,6244.09 1173.23,6244.09 ; 1102.36,1673.23 1259.84,1673.23 ; 1102.36,5255.91 C1023.1@1141.73,5255.91 1173.23,5255.91 ; 1173.23,5255.91 C973.1@1173.23,5417.32 1173.23,5456.69 ; 1173.23,5255.91 C1036.1@1220.47,5255.91 1259.84,5255.91 ; 1173.23,5456.69 C975.1@1173.23,5496.06 1173.23,5535.43 ; 1173.23,5535.43 C853.1@1173.23,5574.8 1173.23,5614.17 ; 1173.23,5614.17 C855.1@1173.23,5653.54 C673.1@1173.23,5732.28 1173.23,5771.65 ; 1173.23,5771.65 C675.1@1173.23,5811.02 C480.1@1173.23,5889.76 1173.23,5929.13 ; 1173.23,5929.13 C481.1@1173.23,5968.5 C483.1@1173.23,6047.24 1173.23,6086.61 ; 1173.23,6086.61 C482.1@1173.23,6125.98 C485.1@1173.23,6204.72 1173.23,6244.09 ; 1259.84,1673.23 1417.32,1673.23 ; 1259.84,5255.91 C1038.1@1299.21,5255.91 C1035.1@1377.95,5255.91 1417.32,5255.91 ; 1417.32,1673.23 1574.8,1673.23 ; 1417.32,5255.91 C1033.1@1456.69,5255.91 C1030.1@1535.43,5255.91 1574.8,5255.91 ; 1566.93,685.04 C340.1@1566.93,724.41 C337.1@1566.93,803.15 1566.93,842.52 ; 1566.93,685.04 C68.2@1590.55,685.04 C413.2@1677.17,685.04 1700.79,685.04 ; 1566.93,842.52 C338.1@1566.93,881.89 C336.1@1566.93,960.63 1566.93,1000 ; 1566.93,1000 C335.1@1566.93,1039.37 C657.1@1566.93,1118.11 1566.93,1157.48 ; 1566.93,1157.48 C655.1@1566.93,1196.85 C837.1@1566.93,1275.59 1566.93,1314.96 ; 1566.93,1314.96 C835.1@1566.93,1354.33 1566.93,1393.7 ; 1566.93,1393.7 C957.1@1566.93,1433.07 1566.93,1472.44 ; 1566.93,1472.44 C955.1@1566.93,1511.81 1566.93,1594.49 1574.8,1602.36 C980.2@1574.8,1649.61 1574.8,1673.23 ; 1574.8,1673.23 C990.1@1614.17,1673.23 1732.28,1673.23 ; 1574.8,5255.91 C1032.1@1614.17,5255.91 C1045.1@1692.91,5255.91 1732.28,5255.91 ; 1700.79,685.04 C346.1@1700.79,724.41 C344.1@1700.79,803.15 1700.79,842.52 ; 1700.79,842.52 C343.1@1700.79,881.89 C342.1@1700.79,960.63 1700.79,1000 ; 1732.28,1673.23 1889.76,1673.23 ; 1732.28,5255.91 C1047.1@1771.65,5255.91 C1044.1@1850.39,5255.91 1889.76,5255.91 ; 1885.83,2283.46 C154.2@1885.83,2244.09 1885.83,2236.22 v2(1968.5,2236.22) 2051.18,2236.22 C173.2@2051.18,2244.09 2051.18,2283.46 ; 1885.83,2283.46 C155.2@1885.83,2322.83 C153.2@1885.83,2401.57 1885.83,2440.94 ; 1885.83,2440.94 C148.2@1885.83,2480.32 C147.2@1885.83,2559.06 1885.83,2598.43 ; 1885.83,2598.43 C146.2@1885.83,2637.8 C144.2@1885.83,2716.54 1885.83,2755.91 ; 1885.83,2755.91 C145.2@1885.83,2795.28 C143.2@1885.83,2874.02 1885.83,2913.39 ; 1885.83,2913.39 C142.2@1885.83,2952.76 C141.2@1885.83,3031.5 1885.83,3070.87 ; 1885.83,3858.27 C111.2@1885.83,3897.64 C109.2@1885.83,3976.38 1885.83,4015.75 ; 1885.83,3858.27 C110.2@1885.83,3818.9 v2(1968.5,3818.9) C112.2@2051.18,3818.9 2051.18,3858.27 ; 1885.83,4015.75 C108.2@1885.83,4055.12 C107.2@1885.83,4133.86 1885.83,4173.23 ; 1885.83,4173.23 C106.2@1885.83,4212.6 C94.2@1885.83,4291.34 1885.83,4330.71 ; 1885.83,4330.71 C95.2@1885.83,4370.08 C91.2@1885.83,4448.82 1885.83,4488.19 ; 1885.83,4488.19 C90.2@1885.83,4527.56 C87.2@1885.83,4606.3 1885.83,4645.67 ; 1889.76,1673.23 2047.24,1673.23 ; 1889.76,5255.91 C1042.1@1929.13,5255.91 C1039.1@2007.87,5255.91 2047.24,5255.91 ; 1984.25,5929.13 1984.25,6086.61 ; 1984.25,6086.61 1984.25,6244.09 ; 1984.25,6244.09 C398.2@2007.87,6244.09 C105.2@2094.49,6244.09 2118.11,6244.09 ; 2047.24,1673.23 2204.72,1673.23 ; 2047.24,5255.91 C1041.1@2086.61,5255.91 C1054.1@2165.35,5255.91 2204.72,5255.91 ; 2051.18,2283.46 C174.2@2051.18,2322.83 C175.2@2051.18,2401.57 2051.18,2440.94 ; 2051.18,2440.94 C176.2@2051.18,2480.32 C180.2@2051.18,2559.06 2051.18,2598.43 ; 2051.18,2598.43 C179.2@2051.18,2637.8 C166.2@2051.18,2716.54 2051.18,2755.91 ; 2051.18,2755.91 C167.2@2051.18,2795.28 C169.2@2051.18,2874.02 2051.18,2913.39 ; 2051.18,2913.39 C170.2@2051.18,2952.76 C172.2@2051.18,3031.5 2051.18,3070.87 ; 2051.18,3858.27 C113.2@2051.18,3897.64 C114.2@2051.18,3976.38 2051.18,4015.75 ; 2051.18,4015.75 C115.2@2051.18,4055.12 C119.2@2051.18,4133.86 2051.18,4173.23 ; 2051.18,4173.23 C118.2@2051.18,4212.6 C122.2@2051.18,4291.34 2051.18,4330.71 ; 2051.18,4330.71 C123.2@2051.18,4370.08 C126.2@2051.18,4448.82 2051.18,4488.19 ; 2051.18,4488.19 C127.2@2051.18,4527.56 C139.2@2051.18,4606.3 2051.18,4645.67 ; 2118.11,5456.69 C972.1@2118.11,5496.06 2118.11,5535.43 ; 2118.11,5535.43 C850.1@2118.11,5574.8 2118.11,5614.17 ; 2118.11,5614.17 C852.1@2118.11,5653.54 C670.1@2118.11,5732.28 2118.11,5771.65 ; 2118.11,5771.65 C672.1@2118.11,5811.02 C468.1@2118.11,5889.76 2118.11,5929.13 ; 2118.11,5929.13 C469.1@2118.11,5968.5 C471.1@2118.11,6047.24 2118.11,6086.61 ; 2118.11,6086.61 C470.1@2118.11,6125.98 C473.1@2118.11,6204.72 2118.11,6244.09 ; 2204.72,1673.23 C1002.1@2244.09,1673.23 2362.2,1673.23 ; 2204.72,5255.91 C1056.1@2244.09,5255.91 C1053.1@2322.83,5255.91 2362.2,5255.91 ; 2362.2,1673.23 2519.68,1673.23 ; 2362.2,5255.91 C1051.1@2401.57,5255.91 C1048.1@2480.31,5255.91 2519.68,5255.91 ; 2511.81,685.04 C358.1@2511.81,724.41 C355.1@2511.81,803.15 2511.81,842.52 ; 2511.81,685.04 C100.2@2535.43,685.04 C416.2@2622.05,685.04 2645.67,685.04 ; 2511.81,842.52 C356.1@2511.81,881.89 C354.1@2511.81,960.63 2511.81,1000 ; 2511.81,1000 C353.1@2511.81,1039.37 C660.1@2511.81,1118.11 2511.81,1157.48 ; 2511.81,1157.48 C658.1@2511.81,1196.85 C840.1@2511.81,1275.59 2511.81,1314.96 ; 2511.81,1314.96 C838.1@2511.81,1354.33 2511.81,1393.7 ; 2511.81,1393.7 C960.1@2511.81,1433.07 2511.81,1472.44 ; 2519.68,1673.23 2677.17,1673.23 ; 2519.68,5255.91 C1050.1@2559.06,5255.91 C1063.1@2637.8,5255.91 2677.17,5255.91 ; 2645.67,685.04 C364.1@2645.67,724.41 2645.67,842.52 ; 2645.67,842.52 2645.67,1000 ; 2677.17,1673.23 2834.65,1673.23 ; 2677.17,5255.91 C1065.1@2716.54,5255.91 C1062.1@2795.28,5255.91 2834.65,5255.91 ; 2834.65,1673.23 2992.13,1673.23 ; 2834.65,5255.91 C1060.1@2874.02,5255.91 C1057.1@2952.76,5255.91 2992.13,5255.91 ; 2929.13,5929.13 2929.13,6086.61 ; 2929.13,6086.61 2929.13,6244.09 ; 2929.13,6244.09 C395.2@2952.76,6244.09 C73.2@3039.37,6244.09 3062.99,6244.09 ; 2992.13,1673.23 3149.61,1673.23 ; 2992.13,5255.91 C1059.1@3031.5,5255.91 C1066.1@3110.24,5255.91 3149.61,5255.91 ; 3062.99,5456.69 C969.1@3062.99,5496.06 3062.99,5535.43 ; 3062.99,5535.43 C847.1@3062.99,5574.8 3062.99,5614.17 ; 3062.99,5614.17 C849.1@3062.99,5653.54 C667.1@3062.99,5732.28 3062.99,5771.65 ; 3062.99,5771.65 C669.1@3062.99,5811.02 C456.1@3062.99,5889.76 3062.99,5929.13 ; 3062.99,5929.13 C457.1@3062.99,5968.5 C459.1@3062.99,6047.24 3062.99,6086.61 ; 3062.99,6086.61 C458.1@3062.99,6125.98 C461.1@3062.99,6204.72 3062.99,6244.09 ; 3149.61,1673.23 3307.09,1673.23 ; 3149.61,5255.91 C1068.1@3188.98,5255.91 C942.1@3267.72,5255.91 3307.09,5255.91 ; 3307.09,1673.23 3405.51,1673.23 3456.69,1622.05 C961.1@3456.69,1511.81 3456.69,1472.44 ; 3456.69,685.04 C370.1@3456.69,724.41 C367.1@3456.69,803.15 3456.69,842.52 ; 3456.69,685.04 C132.2@3480.31,685.04 C419.2@3566.93,685.04 3590.55,685.04 ; 3456.69,842.52 C368.1@3456.69,881.89 C366.1@3456.69,960.63 3456.69,1000 ; 3456.69,1000 C365.1@3456.69,1039.37 C663.1@3456.69,1118.11 3456.69,1157.48 ; 3456.69,1157.48 C661.1@3456.69,1196.85 C843.1@3456.69,1275.59 3456.69,1314.96 ; 3456.69,1314.96 C841.1@3456.69,1354.33 3456.69,1393.7 ; 3456.69,1393.7 C963.1@3456.69,1433.07 3456.69,1472.44 ; 3590.55,685.04 3590.55,842.52 ; 3590.55,842.52 C372.1@3590.55,960.63 3590.55,1000 ; 3673.23,4173.23 3673.23,4287.4 ; 3673.23,4287.4 3673.23,4488.19 ; 3673.23,4488.19 C26.2@3673.23,4598.43 ; C26.2@3673.23,4598.43 3673.23,4645.67 ; 3673.23,4645.67 3673.23,4803.15 ; 3677.17,2125.98 C43.2@3677.17,2244.09 3677.17,2283.46 ; 3677.17,2283.46 3677.17,2440.94 ; 3677.17,2440.94 3677.17,2598.43 ; 3677.17,2598.43 3677.17,2755.91 ; 3677.17,2755.91 3677.17,2913.39 ; 3677.17,2913.39 3677.17,3070.87 ; 3677.17,3070.87 C83.2@3677.17,3110.24 3677.17,3228.35 ; 3677.17,3228.35 3677.17,3385.83 ; 3874.02,5929.13 3874.02,6086.61 ; 3874.02,6086.61 3874.02,6244.09 ; 3874.02,6244.09 C352.2@3897.64,6244.09 C41.2@3984.25,6244.09 4007.87,6244.09 ; 4007.87,4984.25 C150.2@4007.87,5023.62 C151.2@4007.87,5102.36 4007.87,5141.73 ; 4007.87,5141.73 C152.2@4007.87,5181.1 C178.2@4007.87,5259.84 4007.87,5299.21 ; 4007.87,5299.21 C177.2@4007.87,5338.58 C964.1@4007.87,5417.32 4007.87,5456.69 ; 4007.87,5456.69 C966.1@4007.87,5496.06 4007.87,5535.43 ; 4007.87,5535.43 C844.1@4007.87,5574.8 4007.87,5614.17 ; 4007.87,5614.17 C846.1@4007.87,5653.54 C664.1@4007.87,5732.28 4007.87,5771.65 ; 4007.87,5771.65 C666.1@4007.87,5811.02 C444.1@4007.87,5889.76 4007.87,5929.13 ; 4007.87,5929.13 C445.1@4007.87,5968.5 C447.1@4007.87,6047.24 4007.87,6086.61 ; 4007.87,6086.61 C446.1@4007.87,6125.98 C449.1@4007.87,6204.72 4007.87,6244.09